# Altium PCB ATOL_MAIN_BOARD_R02A03_20191009.PcbDoc
Units mil, origin at the board's own origin, x right, y up, seen from the top; angles counter-clockwise.
Board outline 3582.68 x 3385.83 mil, 2 copper layers (Top Layer, Bottom Layer), stack 12.8 mil thick; 76 components, 84 nets, 284 pads, 157 vias.
Unrouted connection lines stored in the file: 165.
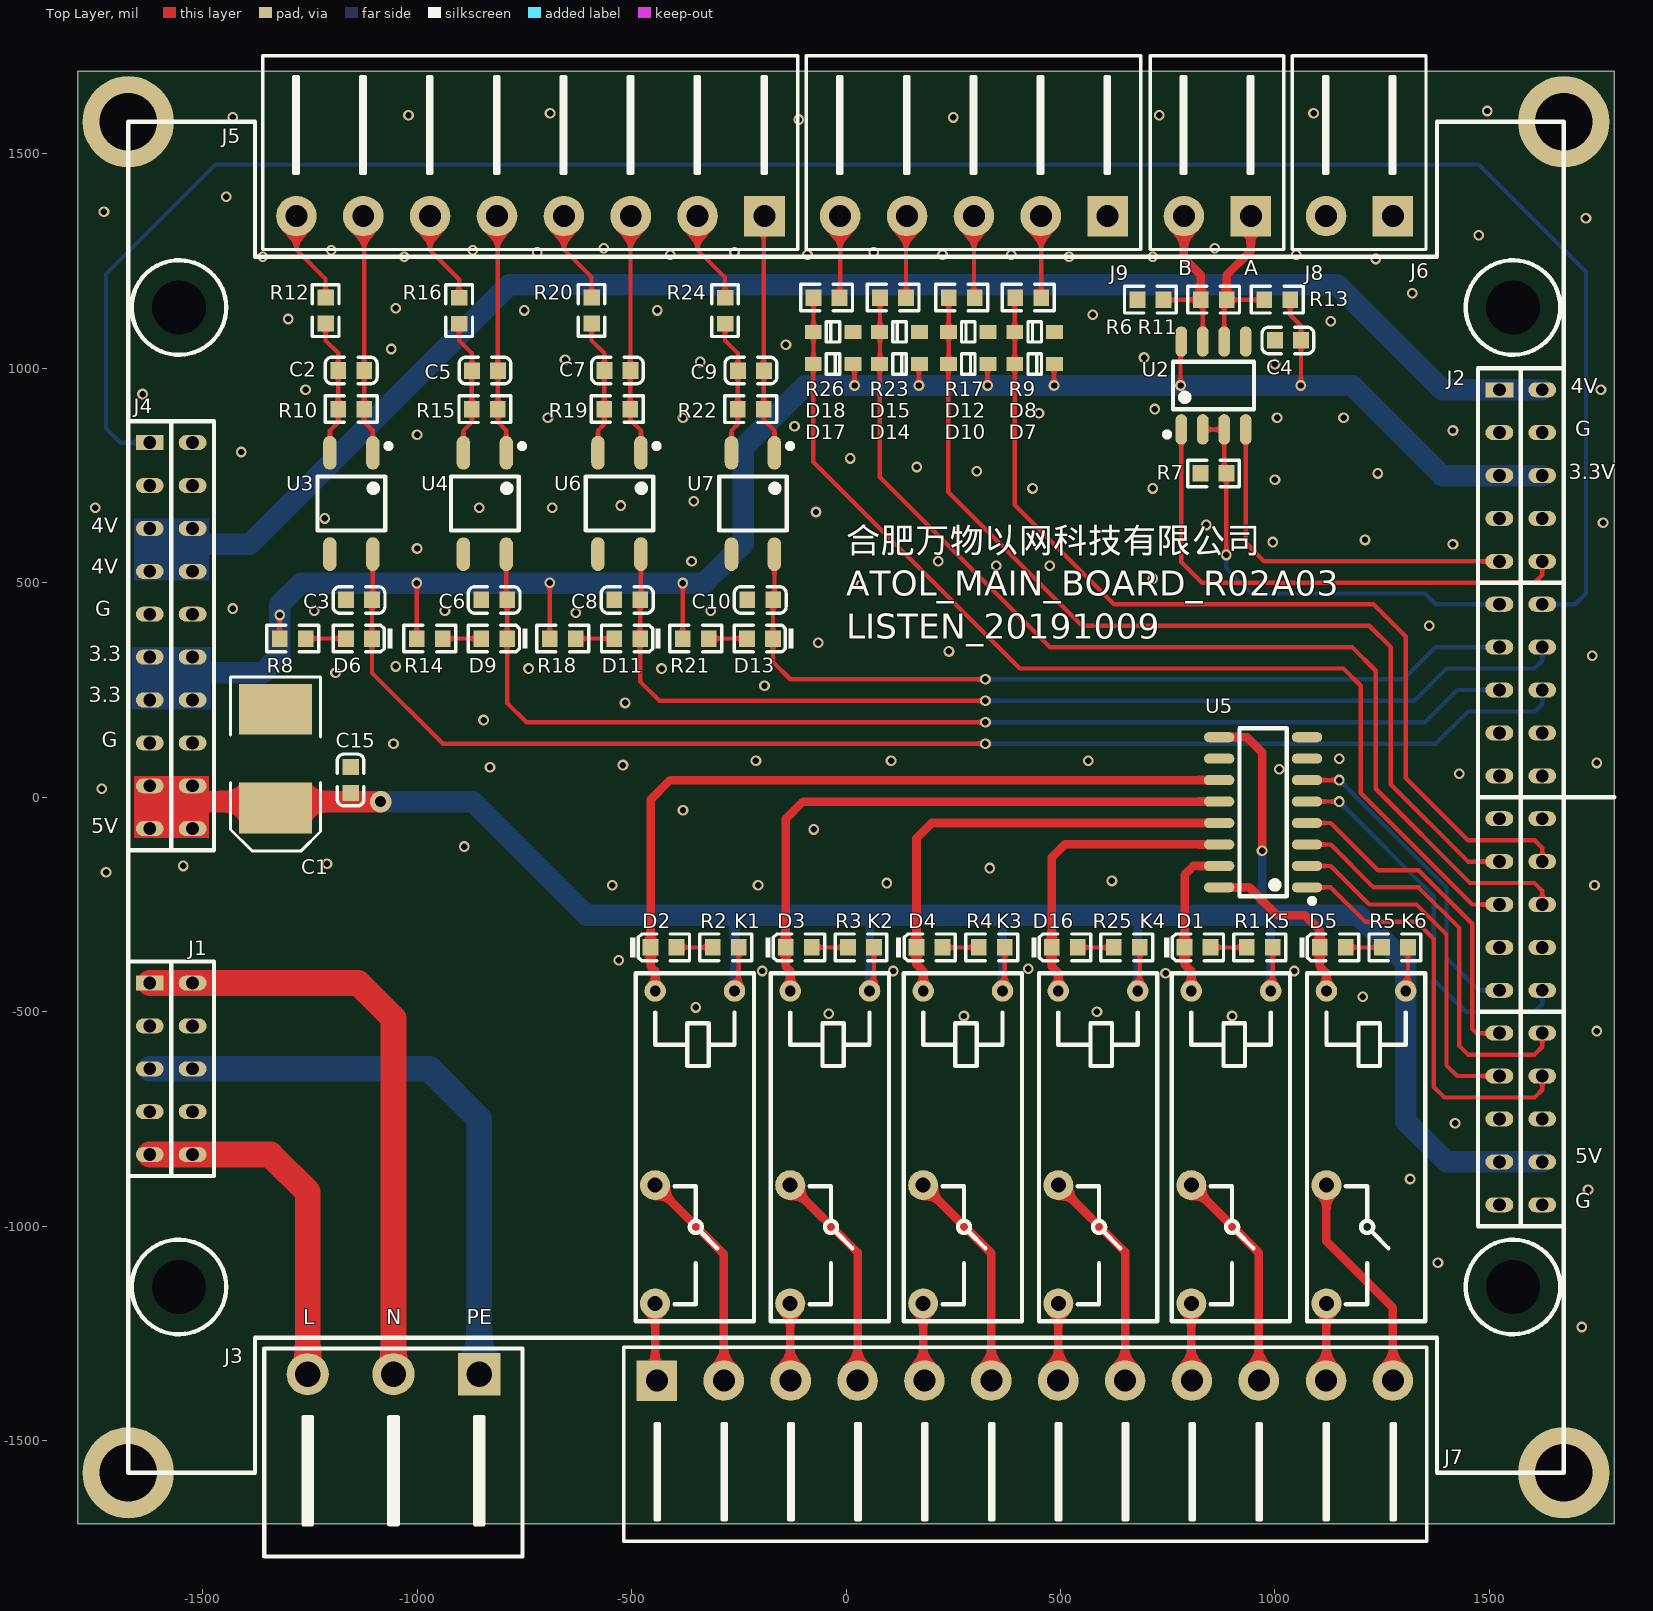
[diagram p0: Top Layer view]
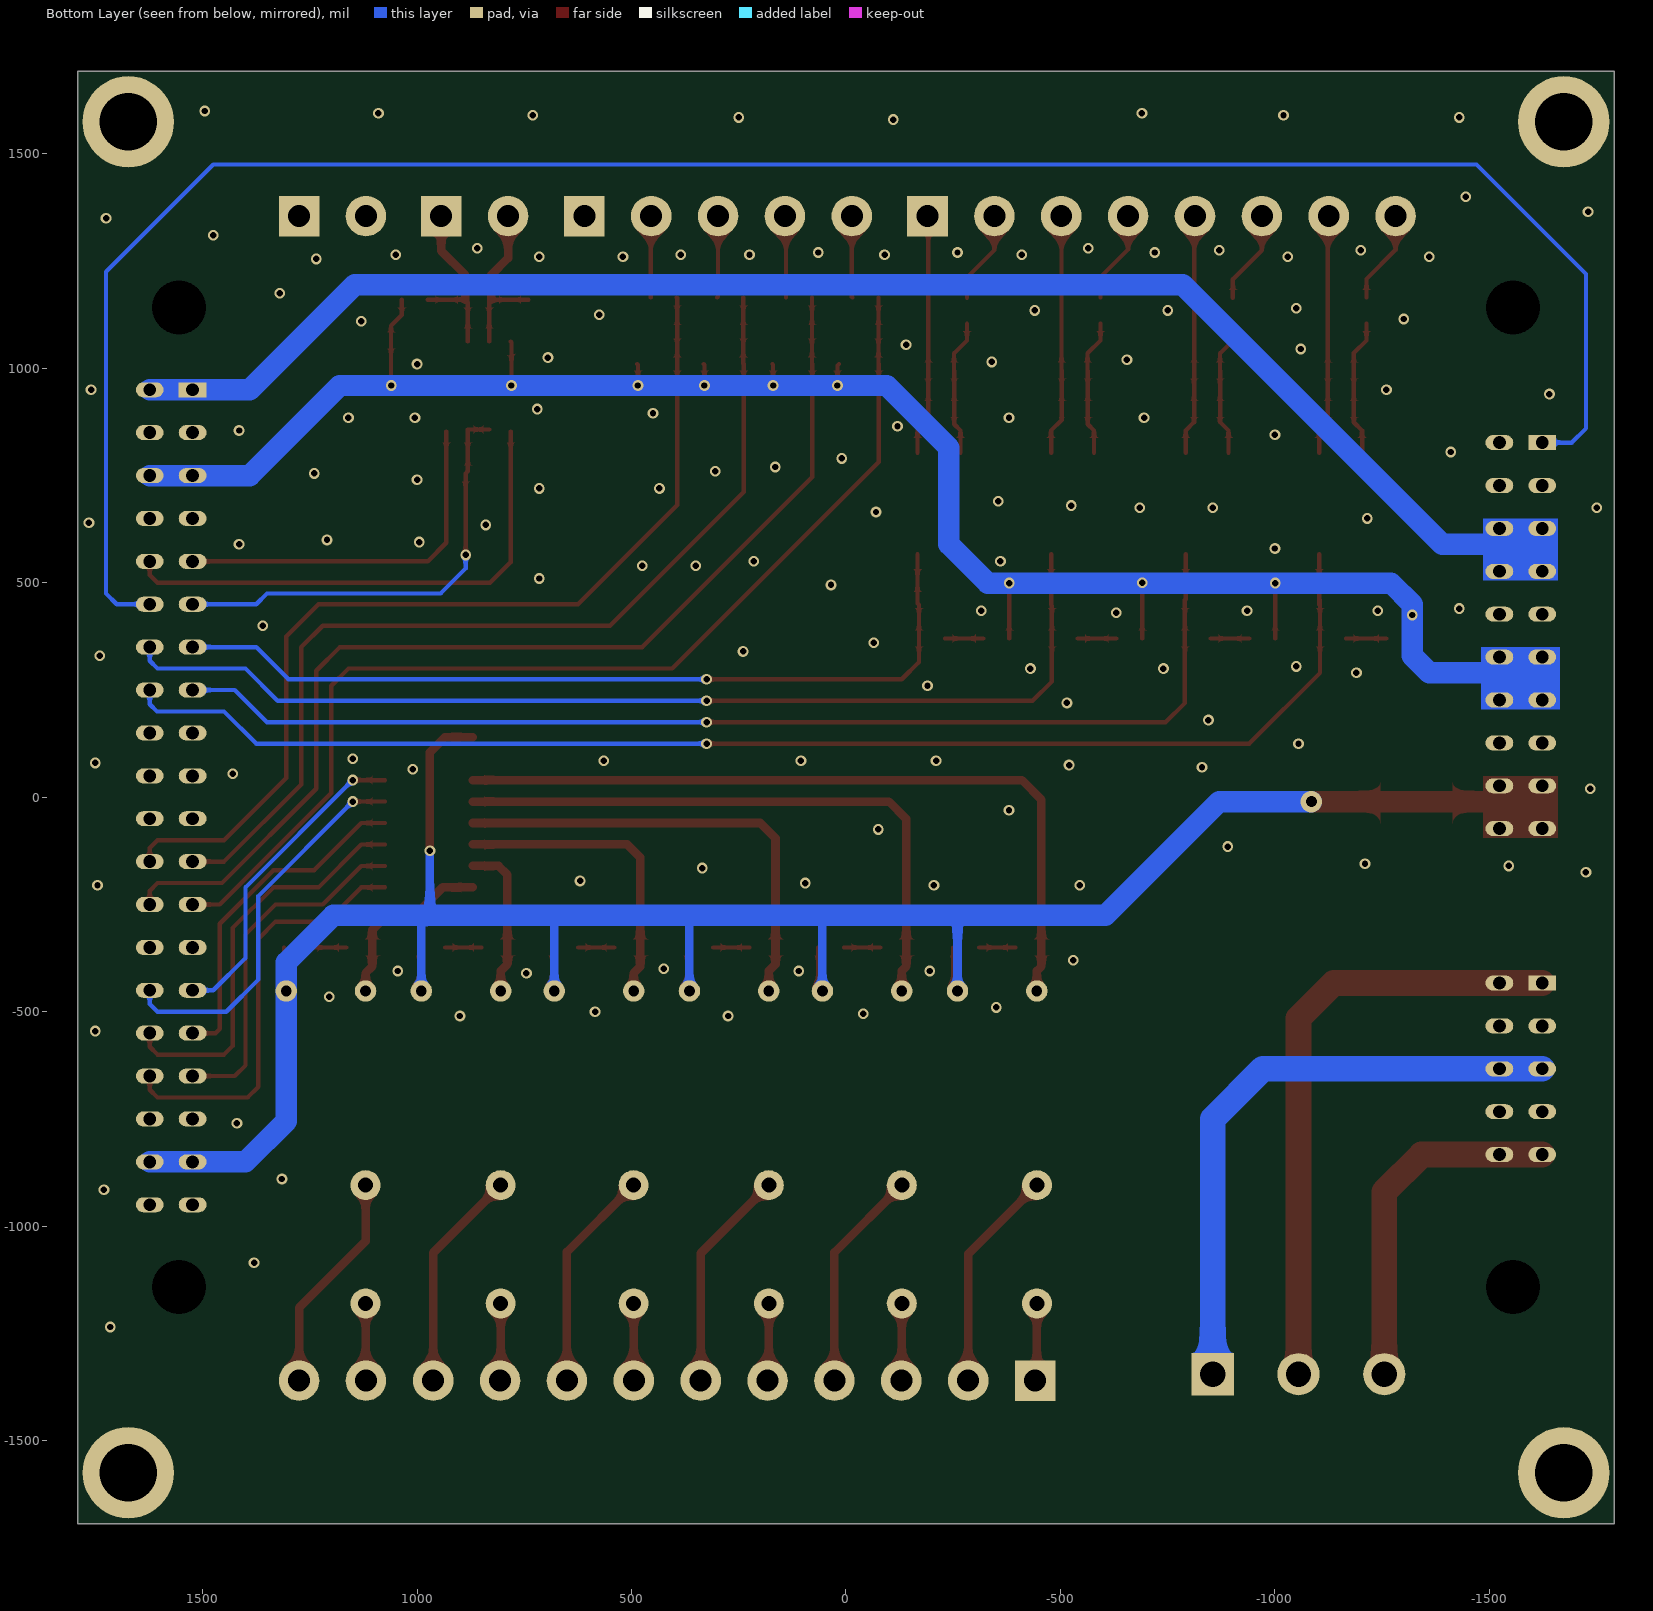
[diagram p1: Bottom Layer view, seen from below]

## Layer stack, top to bottom
Top Solder: solder mask 0.4, Solder Resist, Dk 3.5
Top Layer: signal copper 1.4
Dielectric 1: core 10, FR-4, Dk 4.2
Bottom Layer: signal copper 1.4
Bottom Solder: solder mask 0.4, Solder Resist, Dk 3.5

## Board outline
-1791.34,-1693.11 -1791.34,1692.72 1791.34,1692.72 1791.34,-1693.11

## Design rules (kind name [scope] priority, off if disabled: settings)
Clearance [All] p1: gap=10
HoleSize [All] p1: absolutevalues=TRUE maxlimit=1000 minlimit=1 maxpercent=80.000 minpercent=20.000
MinimumSolderMaskSliver [All] p1: minsoldermaskwidth=2
PolygonConnect [All] p1: connectstyle=Direct reliefconductorwidth=10 reliefentries=4 polygonreliefangle="90 Angle" airgapwidth=10
RoutingVias [All] p1: holewidth=15 width=30 viastyle="Through Hole" minholewidth=10 minwidth=10 maxholewidth=1000 maxwidth=1000
SilkToSilkClearance [All] p1: silktosilkclearance=0
SilkToSolderMaskClearance [IsPad] p1: minsilkscreentomaskgap=0 clearancetoexposedcopper=TRUE
SolderMaskExpansion [All] p1: expansion=4
Width [All] p1: maxlimit=100 minlimit=10 preferedwidth=10
26 further rules are at their usual default settings.

## Components (designator, comment, footprint, x,y, rotation, side; value= is the part's Value field where it differs from the comment)
C1 "470uF (7343) 16V" STEC_E(7343-43) -1330,90 r270 top
C2 "100nF (104) 10% 50V" 0603_C -1153.54,995 r0 top
C3 "100nF (104) 10% 50V" 0603_C -1135.32,460 r0 top
C4 "100nF (104) 10% 50V" 0603_C 1030.32,1065 r180 top
C5 "100nF (104) 10% 50V" 0603_C -841.61,994.88 r0 top
C6 "100nF (104) 10% 50V" 0603_C -820.32,460 r0 top
C7 "100nF (104) 10% 50V" 0603_C -532.91,995 r0 top
C8 "100nF (104) 10% 50V" 0603_C -510,460 r0 top
C9 "100nF (104) 10% 50V" 0603_C -221.61,994.88 r0 top
C10 "100nF (104) 10% 50V" 0603_C -200,460 r0 top
C15 "100nF (104) 10% 50V" 0603_C -1155,40.32 r90 top
D1 "红灯 0603" 0603_LED_S1 819.68,-350 r0 top
D2 "红灯 0603" 0603_LED_S1 -425.32,-350 r0 top
D3 "红灯 0603" 0603_LED_S1 -110.32,-350 r0 top
D4 "红灯 0603" 0603_LED_S1 194.68,-350 r0 top
D5 "红灯 0603" 0603_LED_S1 1134.68,-350 r0 top
D6 "白灯 0603" 0603_LED_S1 -1135.31,370 r180 top
D7 "1N4148WS T4" SOD-323 440,1010 r180 top
D8 "1N4148WS T4" SOD-323 440,1085 r0 top
D9 "白灯 0603" 0603_LED_S1 -820.31,370 r180 top
D10 "1N4148WS T4" SOD-323 285,1010 r180 top
D11 "白灯 0603" 0603_LED_S1 -509.68,370 r180 top
D12 "1N4148WS T4" SOD-323 285,1085 r0 top
D13 "白灯 0603" 0603_LED_S1 -200.31,370 r180 top
D14 "1N4148WS T4" SOD-323 125,1010 r180 top
D15 "1N4148WS T4" SOD-323 125,1085 r0 top
D16 "红灯 0603" 0603_LED_S1 510,-350 r0 top
D17 "1N4148WS T4" SOD-323 -30,1010 r180 top
D18 "1N4148WS T4" SOD-323 -30,1085 r0 top
J1 "2.54(5x2)" DB2.54(5x2) -1623.23,-433.07 r270 top locked
J2 "2.54(20x2)" DB2.54(20x2) 1523.23,950 r270 top locked
J3 "5.08(3x1)" KF2EDGK5.08-WI-3P -1055,-1345 r180 top
J4 "2.54(10x2)" DB2.54(10x2) -1623.23,826.77 r270 top locked
J5 "3.96(8x1)" HT3.96-WI-8P -736.45,1355 r180 top locked
J6 "3.96(2x1)" HT3.96-WI-2P 1196.26,1355 r180 top locked
J7 "3.96(12x1)" HT3.96-WI-12P 417.52,-1360 r0 top
J8 "3.96(2x1)" HT3.96-WI-2P 865,1355 r180 top locked
J9 "3.96(5x1)" HT3.96-WI-5P 297.4,1355 r180 top locked
K1 "G5NB" G5NG -445,-451.65 r270 top locked
K2 "G5NB" G5NG -130,-451.65 r270 top locked
K3 "G5NB" G5NG 180,-451.65 r270 top locked
K4 "G5NB" G5NG 495,-451.65 r270 top locked
K5 "G5NB" G5NG 805,-451.65 r270 top locked
K6 "G5NB" G5NG 1120,-451.65 r270 top locked
R1 "2.2KΩ (2201) ±1%" 0603_R 964.69,-350 r180 top
R2 "2.2KΩ (2201) ±1%" 0603_R -280.31,-350 r180 top
R3 "2.2KΩ (2201) ±1%" 0603_R 35,-350 r180 top
R4 "2.2KΩ (2201) ±1%" 0603_R 340,-350 r180 top
R5 "2.2KΩ (2201) ±1%" 0603_R 1279.69,-350 r180 top
R6 "47KΩ (4702) ±1%" 0603_R 709.69,1160 r180 top
R7 "47KΩ (4702) ±1%" 0603_R 856.77,755 r0 top
R8 "2KΩ (2001) ±1%" 0603_R -1290,370 r180 top
R9 "100Ω (1000) ±1%" 0603_R 424.69,1165 r180 top
R10 "680Ω (6800) ±1%" 0603_R -1153.54,905 r180 top
R11 "120Ω (1200) ±1%" 0603_R 857.09,1160 r180 top
R12 "4.7KΩ (4701) ±1%" 0603_R -1213.23,1134.68 r90 top
R13 "47KΩ (4702) ±1%" 0603_R 1005.32,1160 r180 top
R14 "2KΩ (2001) ±1%" 0603_R -970.31,370 r180 top
R15 "680Ω (6800) ±1%" 0603_R -841.93,904.88 r180 top
R16 "4.7KΩ (4701) ±1%" 0603_R -901.93,1134.57 r90 top
R17 "100Ω (1000) ±1%" 0603_R 269.69,1165 r180 top
R18 "2KΩ (2001) ±1%" 0603_R -660.31,370 r180 top
R19 "680Ω (6800) ±1%" 0603_R -533.23,905 r180 top
R20 "4.7KΩ (4701) ±1%" 0603_R -593.23,1135 r90 top
R21 "2KΩ (2001) ±1%" 0603_R -350.31,370 r180 top
R22 "680Ω (6800) ±1%" 0603_R -221.93,904.88 r180 top
R23 "100Ω (1000) ±1%" 0603_R 109.69,1165 r180 top
R24 "4.7KΩ (4701) ±1%" 0603_R -281.93,1134.57 r90 top
R25 "2.2KΩ (2201) ±1%" 0603_R 654.69,-350 r180 top
R26 "100Ω (1000) ±1%" 0603_R -45.31,1165 r180 top
U2 "SP3485EN-L/TR" SOIC-8_150mil 856.77,960 r0 top locked
U3 "EL357N(B)(TA)-G" SOP-4_P2.54 -1153.23,685 r270 top
U4 "EL357N(B)(TA)-G" SOP-4_P2.54 -841.93,684.88 r270 top
U5 "ULN2003AFWG" SOIC-16_150mil 972.36,-35 r90 top locked
U6 "EL357N(B)(TA)-G" SOP-4_P2.54 -528.23,685 r270 top
U7 "EL357N(B)(TA)-G" SOP-4_P2.54 -216.93,684.88 r270 top

## Footprints (in the part's own frame and the unit in brackets; to place one, negate y for a bottom-side part, rotate by r counter-clockwise, add the part's x,y. Pads: shape width x height; smd on the part's side, far side on the other; paste and mask are expansions set on the pad)
0603_C [mm]
  rect 0.93x0.98 smd: 1(-0.77,0) 2(0.77,0)
  silkscreen extent -1.53,-0.79 1.54,0.79, body extent -0.8,-0.4 0.8,0.4, height 0.3
0603_LED_S1 [mm]
  rect 0.93x0.98 smd: A(0.77,0) K(-0.77,0)
  silkscreen extent -1.97,-0.79 1.54,0.79, body extent -0.8,-0.4 0.8,0.4, height 0.6
0603_R [mm]
  rect 0.93x0.98 smd: 1(-0.77,0) 2(0.77,0)
  silkscreen extent -1.53,-0.79 1.54,0.79, body extent -0.85,-0.4 0.85,0.4, height 0.56
DB2.54(5x2) [mil] "DB2.54(5x2)"
  rect 35x65 hole 30: 1(0,0)
  oval 35x65 hole 30: 2(0,100) 3(100,0) 4(100,100) 5(200,0) 6(200,100) 7(300,0) 8(300,100) 9(400,0) 10(400,100)
  silkscreen extent -50,-50 450,150
DB2.54(10x2) [mil] "DB2.54(10x2)"
  rect 35x65 hole 30: 1(0,0)
  oval 35x65 hole 30: 2(0,100) 3(100,0) 4(100,100) 5(200,0) 6(200,100) 7(300,0) 8(300,100) 9(400,0) 10(400,100) 11(500,0) 12(500,100) 13(600,0) 14(600,100) 15(700,0) 16(700,100) 17(800,0) 18(800,100) 19(900,0) 20(900,100)
  silkscreen extent -50,-50 950,150
DB2.54(20x2) [mil] "DB2.54(20x2)"
  rect 35x65 hole 30: 1(0,0)
  oval 35x65 hole 30: 2(0,100) 3(100,0) 4(100,100) 5(200,0) 6(200,100) 7(300,0) 8(300,100) 9(400,0) 10(400,100) 11(500,0) 12(500,100) 13(600,0) 14(600,100) 15(700,0) 16(700,100) 17(800,0) 18(800,100) 19(900,0) 20(900,100) 21(1000,0) 22(1000,100) 23(1100,0) 24(1100,100) 25(1200,0) 26(1200,100) 27(1300,0) 28(1300,100) 29(1400,0) 30(1400,100) 31(1500,0) 32(1500,100) 33(1600,0) 34(1600,100) 35(1700,0) 36(1700,100) 37(1800,0) 38(1800,100) 39(1900,0) 40(1900,100)
  silkscreen extent -50,-50 1950,150
G5NG [mil] "欧姆龙G5NG继电器"
  round 50 hole 25: 1(0,0) 4(0,185.04)
  round 70 hole 35: 2(452.76,0) 3(728.35,0)
  silkscreen extent -41,-45 770,230
HT3.96-WI-2P [mm] "HT3.96卧插端子"
  rect 2.4x2.4 hole 1.3: 1(-2,0)
  round 2.4 hole 1.3: 2(1.96,0)
  silkscreen extent -3.96,-9.5 3.96,1.98, body extent -3.98,-9.5 3.98,0.5, height 7.45
HT3.96-WI-5P [mm] "HT3.96卧插端子"
  rect 2.4x2.4 hole 1.3: 1(-7.94,0)
  round 2.4 hole 1.3: 2(-3.98,0) 3(-0.02,0) 4(3.94,0) 5(7.9,0)
  silkscreen extent -9.9,-9.5 9.9,1.98, body extent -9.92,-9.5 9.92,0.5, height 7.45
HT3.96-WI-8P [mm] "HT3.96卧插端子"
  rect 2.4x2.4 hole 1.3: 1(-13.88,0)
  round 2.4 hole 1.3: 2(-9.92,0) 3(-5.96,0) 4(-2,0) 5(1.96,0) 6(5.92,0) 7(9.88,0) 8(13.84,0)
  silkscreen extent -15.84,-9.5 15.84,1.98, body extent -15.86,-9.5 15.86,0.5, height 7.45
HT3.96-WI-12P [mm] "HT3.96卧插端子"
  rect 2.4x2.4 hole 1.3: 1(-21.8,0)
  round 2.4 hole 1.3: 2(-17.84,0) 3(-13.88,0) 4(-9.92,0) 5(-5.96,0) 6(-2,0) 7(1.96,0) 8(5.92,0) 9(9.88,0) 10(13.84,0) 11(17.82,0) 12(21.78,0)
  silkscreen extent -23.76,-9.5 23.78,1.98, body extent -23.78,-9.5 23.8,0.5, height 7.45
KF2EDGK5.08-WI-3P [mm] "卧插端子"
  rect 2.5x2.5 hole 1.5: 1(-5.08,0)
  round 2.5 hole 1.5: 2(0,0) 3(5.08,0)
  silkscreen extent -7.65,-1.52 7.65,10.8, body extent -7.62,-0.5 7.62,10.8, height 8.5
SOD-323 [mm]
  rect 1x0.83 smd: 1(1.18,0) 2(-1.18,0)
  silkscreen extent -0.4,-0.6 0.4,0.6, body extent -1.35,-0.62 1.35,0.63, height 1.1
SOIC-8_150mil [mm]
  oval 0.7x1.8 smd: 1(-1.905,-2.6) 2(-0.635,-2.6) 3(0.635,-2.6) 4(1.905,-2.6) 5(1.905,2.6) 6(0.635,2.6) 7(-0.635,2.6) 8(-1.905,2.6)
  silkscreen extent -2.9,-3.05 2.4,1.4
SOIC-16_150mil [mm]
  oval 0.6x1.8 smd: 1(-4.445,-2.6) 2(-3.175,-2.6) 3(-1.905,-2.6) 4(-0.635,-2.6) 5(0.635,-2.6) 6(1.905,-2.6) 7(3.175,-2.6) 8(4.445,-2.6) 9(4.445,2.6) 10(3.175,2.6) 11(1.905,2.6) 12(0.635,2.6) 13(-0.635,2.6) 14(-1.905,2.6) 15(-3.175,2.6) 16(-4.445,2.6)
  silkscreen extent -5.4,-3.05 4.97,1.4
SOP-4_P2.54 [mm]
  oval 2x0.8 smd: 1(-3,1.27) 2(-3,-1.27) 3(3,-1.27) 4(3,1.27)
  silkscreen extent -3.55,-2 1.6,2.35
STEC_E(7343-43) [mm]
  rect 3x4.3 smd: 1(2.921,0) 2(-2.921,0)
  silkscreen extent -4.83,-2.67 5.46,2.67, body extent -3.65,-2.15 3.65,2.15, height 4.11

## Part data
C1: library part "3528 100uF (107) 10% 6.3V", "钽电容"
C2 C3 C4 C5 C6 C7 C8 C9 C10 C15: library part "0603 100nF (104) 10% 50V", "贴片电容"
D1 D2 D3 D4 D5 D16: library part "0603 红灯", "发光二极管"
D6 D9 D11 D13: library part "0603 白灯", "发光二极管"
D7 D8 D10 D12 D14 D15 D17 D18: library part "SOD-323 1N4148WS T4", "二极管"
J1 J2 J4: "2.54端子"
J3: "5.08端子"
J5 J6 J7 J8 J9: "3.96端子"
K1 K2 K3 K4 K5 K6: "G5NB/12V/16mA/720R"
R1 R2 R3 R4 R5 R25: library part "0603 2.2KΩ (2201) 1%", "贴片电阻"
R6 R7 R13: library part "0603 47KΩ (4702) 1%", "贴片电阻"
R8 R14 R18 R21: library part "0603 2KΩ (2001) 1%", "贴片电阻"
R9 R17 R23 R26: library part "0603 100Ω (1000) 1%", "贴片电阻"
R10 R15 R19 R22: library part "0603 680Ω (6800) 1%", "贴片电阻"
R11: library part "0603 120Ω (1200) 1%", "贴片电阻"
R12 R16 R20 R24: library part "0603 4.7KΩ (4701) 1%", "贴片电阻"
U2: library part SP3485EN-L/TR_[C8963], "RS-485/RS-422"
U3 U4 U6 U7: library part EL357N(B)(TA)-G_[C6649], "贴片光耦"
U5: library part ULN2003AFWG_[C5437], "大电流驱动"

## Free pads (board coordinates)
  round 212.6 hole 133.86: ""(-1673.23,-1575) ""(-1673.23,1574.8) ""(1673.23,-1574.8) ""(1673.23,1574.8)
  round 0 hole 125.98: ""(-1555.12,-1141.73) ""(-1555.12,1141.73) ""(1555.12,-1141.73) ""(1555.12,1141.73)

## Via types
v1: diameter 25, hole 15, Top Layer to Bottom Layer, tented both sides, 155 vias
v2: diameter 50, hole 25, Top Layer to Bottom Layer, tented both sides, 1 vias
v3: diameter 25, hole 15, Top Layer to Bottom Layer, tented bottom, 1 vias

## Nets (pads, with @x,y where several pads share a name; then routed paths per layer and width w, separated by ;. In a path a pad name is that pad's centre, name@x,y a point inside that pad or via, vN(x,y) a via of type N, cw(c..) or ccw(c..) an arc to the next point about the centre after c; other vN are vias at no path point)
3.3VDC: C4.1 D7.2 D10.2 D14.2 D17.2 J2.5 J2.6 J4.11 J4.12 J4.13 J4.14 R8.2 R13.1 R14.2 R18.2 R21.2 U2.8 | length 4649.9
  Top Layer w10: R8.2 -1320.32,424.68 v1(-1320,425) ; R14.2 v1(-1000.63,499.37) ; R18.2 v3(-690.63,500) ; R21.2 v1(-380.63,499.37) ; D17.2 20,1006.46 v1(20,960) ; v1(170,960) 170,1008.54 D14.2 ; v1(330,960) 330,1008.54 D10.2 ; v1(485,960) 485,1008.54 D7.2 ; v1(780,960) 780,1060.59 U2.8 ; R13.1 1035.63,1124.37 1060.63,1099.37 C4.1 v1@1060.63,960
  Bottom Layer w50: -1499.63,290.37 -1359.63,290.37 -1320,330 v1(-1320,425) -1320,450 -1270.63,499.37 v1(-1000.63,499.37) -330.63,499.37 -240,590 -240,815 -95,960 v1(20,960) v1(170,960) v1(330,960) v1(485,960) v1(780,960) v1(1060,960) 1180,960 1390,750 J2.5 J2.6
4VDC: J2.1 J2.2 J4.5 J4.6 J4.7 J4.8 | length 3495.3
  Bottom Layer w50: -1520,590 -1390,590 -785,1195 1145,1195 1390,950 J2.1 J2.2
5VDC: C1.1 C15.1 J2.37 J2.38 J4.17 J4.18 J4.19 J4.20 K1.4 K2.4 K3.4 K4.4 K5.4 K6.4 R1.1 R2.1 R3.1 R4.1 R5.1 R25.1 U5.9 | length 5710.5
  Top Layer w10: K1.4 -250,-441.69 R2.1 ; K2.4 65.31,-441.38 R3.1 ; K3.4 370.31,-446.38 R4.1 ; K4.4 685,-446.69 R25.1 ; K5.4 995,-446.69 R1.1 ; K6.4 1310,-446.69 R5.1
  Top Layer w20: U5.9 935,140 970,105 v1(970,-125)
  Top Layer w50: -1510,-10 -1325,-10 v2(-1085,-10)
  Bottom Layer w10: 55.04,-275.08 55,-275.04 ; 365.04,-275.08 365,-275.04 ; 680.04,-275.08 680,-275.04 ; 970,-275 990.04,-295.04
  Bottom Layer w20: K1.4 -259.96,-275.04 ; K2.4 55.04,-275.08 ; K3.4 365.04,-275.08 ; K4.4 680.04,-275.08 ; 970,-275 v1(970,-125) ; K5.4 990.04,-295.04
  Bottom Layer w50: v2(-1085,-10) -870,-10 -605,-275 -260,-275 ; -259.96,-275.04 55,-275.04 365,-275.04 680,-275.04 970,-275.04 ; 970,-275 1195,-275 1305.04,-385.04 K6.4 1305.04,-755.04 1400,-850 J2.37 J2.38
AI0: J9.5 R26.1 | length 190.6
  Top Layer w10: R26.1 -13.62,1166.38 J9.5
AI1: J9.4 R23.1 | length 190.9
  Top Layer w10: R23.1 140,1352.72 J9.4
AI2: J9.3 R17.1 | length 190.8
  Top Layer w10: J9.3 298.19,1166.81 R17.1
AI3: J9.2 R9.1 | length 190.4
  Top Layer w10: J9.2 455,1354.09 R9.1
CAN_RX: J2.7
CAN_TX: J2.8
COMM_RESET: J2.12 J4.1 | length 4996.8
  Bottom Layer w10: J4.1 -1691.77,826.77 -1725,860 -1725,1220 -1470,1475 1475,1475 1725,1225 1725,475 1700,450 J2.12
DI0_HIGH: C2.2 J5.7 R10.1 U3.1 | length 561.1
  Top Layer w10: J5.7 -1123.23,1352.8 C2.2 R10.1 -1123.23,875 -1103.23,855 U3.1
DI0_LOW: J5.8 R12.2 | length 218.2
  Top Layer w10: J5.8 -1281.34,1276.34 -1213.23,1208.23 R12.2
DI1_HIGH: C5.2 J5.5 R15.1 U4.1 | length 560.8
  Top Layer w10: J5.5 -811.93,1353.31 -811.93,995.51 C5.2 ; C5.2@-811.61,994.57 R15.1 -811.61,874.57 -791.93,854.88 U4.1
DI1_LOW: J5.6 R16.2 | length 218.1
  Top Layer w10: J5.6 -969.53,1275.47 -901.93,1207.87 R16.2
DI2_HIGH: C7.2 J5.3 R19.1 U6.1 | length 563.5
  Top Layer w10: C7.2@-503.23,995.63 C7.2 -502.6,1352.95 -503.23,1353.58 J5.3 ; C7.2@-502.91,994.68 R19.1 -502.91,879.69 -478.23,855 U6.1
DI2_LOW: J5.4 R20.2 | length 216.4
  Top Layer w10: J5.4 -657.72,1277.28 -593.23,1212.8 R20.2
DI3_HIGH: C9.2 J5.1 R22.1 U7.1 | length 563.2
  Top Layer w10: J5.1 -191.93,1353.07 -191.93,994.88 -191.61,994.57 R22.1 -191.61,879.57 -166.93,854.88 U7.1
DI3_LOW: J5.2 R24.2 | length 216.6
  Top Layer w10: J5.2 -345.91,1275.91 -281.93,1211.93 R24.2
DO0_HIGH: J7.2 K1.2 | length 521.9
  Top Layer w20: K1.2 -284.84,-1064.57 J7.2
DO0_LOW: J7.1 K1.3 | length 181.8
  Top Layer w10: J7.1@-445,-1355.75 J7.1
  Top Layer w20: J7.1@-445,-1355.75 K1.3
DO1_HIGH: J7.4 K2.2 | length 520.6
  Top Layer w20: K2.2 26.97,-1061.38 J7.4
DO1_LOW: J7.3 K2.3 | length 180.4
  Top Layer w10: J7.3@-130,-1358.93 J7.3
  Top Layer w20: J7.3@-130,-1358.93 K2.3
DO2_HIGH: J7.6 K3.2 | length 521.4
  Top Layer w20: K3.2 338.78,-1063.19 J7.6
DO2_LOW: J7.5 K3.3 | length 181.2
  Top Layer w10: J7.5@180,-1357.12 J7.5
  Top Layer w20: J7.5@180,-1357.12 K3.3
DO3_HIGH: J7.8 K4.2 | length 520
  Top Layer w20: K4.2 650.59,-1060 J7.8
DO3_LOW: J7.7 K4.3 | length 180.1
  Top Layer w10: J7.7 J7.7@495,-1359.69
  Top Layer w20: J7.7@495,-1359.69 K4.3
DO4_HIGH: J7.10 K5.2 | length 520.8
  Top Layer w20: K5.2 962.4,-1061.81 J7.10
DO4_LOW: J7.9 K5.3 | length 180.6
  Top Layer w10: J7.9@805,-1358.5 J7.9
  Top Layer w20: J7.9@805,-1358.5 K5.3
DO5_HIGH: J7.12 K6.2 | length 519.8
  Top Layer w20: K6.2 1120,-1035 1275,-1190 J7.12
DO5_LOW: J7.11 K6.3 | length 180.4
  Top Layer w10: J7.11 J7.11@1120,-1359.09
  Top Layer w20: J7.11@1120,-1359.09 K6.3
GND: C1.2 C3.1 C4.2 C6.1 C8.1 C10.1 C15.2 D8.1 D12.1 D15.1 D18.1 J2.3 J2.4 J2.39 J2.40 J4.9 J4.10 J4.15 J4.16 J9.1 R6.2 R7.1 U2.5 U3.3 U4.3 U5.8 U6.3 U7.3
  other v1: 1715,-1235 1380,-1085 1730,-915 1315,-890 1420,-760 1750,-545 275,-510 900,-510 -40,-505 585,-500 -350,-490 1205,-465 745,-410 -195,-405 110,-405 1045,-405 425,-400 -530,-380 -545,-205 -205,-205 1745,-205 95,-200 620,-195 -1725,-175 335,-165 -1545,-160 -1210,-155 -890,-115 -75,-75 -380,-30 -1735,20 1430,55 1010,65 -830,70 -520,75 1750,80 -210,85 105,85 565,85 1150,90 -1055,125 -845,180 -515,220 -190,260 -1190,290 -740,300 -430,300 -1050,305 1740,330 240,340 -65,360 1360,400 -630,430 -1240,435 -935,435 -315,435 -1430,440 35,495 715,510 350,540 475,540 -360,550 215,550 -1000,580 1415,590 995,595 1210,600 840,635 1765,640 -1215,650 -70,665 -1750,675 -855,675 -685,675 -525,680 -355,690 435,720 715,720 1000,740 1240,755 305,760 165,770 10,790 -1410,805 -1000,845 1415,855 -120,865 -695,885 -380,885 1005,885 1160,885 450,895 720,905 -1640,940 -1260,950 1760,950 1000,1010 -340,1015 -655,1020 695,1025 -1060,1045 -140,1055 1130,1110 -1300,1115 575,1125 -750,1135 -440,1135 -1050,1140 1320,1175 1235,1255 -1360,1260 -1030,1260 520,1260 715,1260 -410,1265 -90,1265 225,1265 385,1265 1050,1265 -720,1270 -260,1270 65,1270 -1200,1275 -870,1275 -565,1280 860,1280 1475,1310 1725,1350 -1730,1365 -1445,1400 -110,1580 -1430,1585 250,1585 -1020,1590 730,1590 -690,1595 1090,1595 1495,1600
L_AC: J1.9 J1.10 J3.3 | length 829.2
  Top Layer w60: J1.9 J1.10 -1341.93,-833.07 -1255,-920 J3.3
N_AC: J1.1 J1.2 J3.2 | length 1432.2
  Top Layer w60: J1.1 J1.2 -1136.93,-433.07 -1055,-515 J3.2
NetC2_1: C2.1 R10.2 R12.1 U3.2 | length 321.4
  Top Layer w10: R12.1 -1213.23,1065 -1183.86,1035.63 C2.1 R10.2 -1183.86,874.37 -1203.23,855 U3.2
NetC5_1: C5.1 R15.2 R16.1 U4.2 | length 321.5
  Top Layer w10: R16.1 -901.93,1064.88 -871.93,1034.88 C5.1 ; U4.2 -891.93,854.88 -872.24,874.57 R15.2 C5.1@-872.24,994.57
NetC7_1: C7.1 R19.2 R20.1 U6.2 | length 319.8
  Top Layer w10: R20.1 -593.23,1065 -563.23,1035 C7.1 ; U6.2 -578.23,855 -563.54,869.68 R19.2 C7.1@-563.54,994.68
NetC9_1: C9.1 R22.2 R24.1 U7.2 | length 319.5
  Top Layer w10: R24.1 -281.93,1064.88 -251.93,1034.88 C9.1 ; U7.2 -266.93,854.88 -252.24,869.57 R22.2 C9.1@-252.24,994.57
NetD1_A: D1.A R1.2 | length 84.4
  Top Layer w10: D1.A R1.2
NetD2_A: D2.A R2.2 | length 84.4
  Top Layer w10: D2.A R2.2
NetD3_A: D3.A R3.2 | length 84.7
  Top Layer w10: D3.A R3.2
NetD4_A: D4.A R4.2 | length 84.7
  Top Layer w10: D4.A R4.2
NetD5_A: D5.A R5.2 | length 84.4
  Top Layer w10: D5.A R5.2
NetD6_A: D6.A R8.1 | length 94.1
  Top Layer w10: R8.1 D6.A
NetD9_A: D9.A R14.1 | length 89.4
  Top Layer w10: R14.1 D9.A
NetD11_A: D11.A R18.1 | length 90
  Top Layer w10: R18.1 D11.A
NetD13_A: D13.A R21.1 | length 89.4
  Top Layer w10: R21.1 D13.A
NetD16_A: D16.A R25.2 | length 84.1
  Top Layer w10: D16.A R25.2
PA0: J2.29 U5.6 | length 748.1
  Top Layer w10: U5.6 v1(1150,40)
  Bottom Layer w10: v1(1150,40) 1400,-210 1400,-375 1475,-450 J2.29
PA1: J2.30 U5.5 | length 905
  Top Layer w10: U5.5 v1(1150,-10)
  Bottom Layer w10: v1(1150,-10) 1370,-230 1370,-425 1445,-500 1605,-500 1623.23,-481.77 J2.30
PA4: D17.1 D18.2 J2.25 R26.2 | length 2557.3
  Top Layer w10: R26.2 -75.63,1010.83 D17.1 -76.46,781.46 405,300 1160,300 1200,260 1200,10 1460,-250 J2.25
PA5: D14.1 D15.2 J2.26 R23.2 | length 2556
  Top Layer w10: R23.2 79.37,1010.83 D14.1 78.54,746.46 475,350 1180,350 1235,295 1235,20 1455,-200 1605,-200 1623.23,-218.23 J2.26
PA6: D10.1 D12.2 J2.23 R17.2 | length 2282.8
  Top Layer w10: R17.2 239.37,1010.83 D10.1 238.54,711.46 550,400 1220,400 1270,350 1270,30 1450,-150 J2.23
PA7: D7.1 D8.2 J2.24 R9.2 | length 2269.9
  Top Layer w10: R9.2 393.54,1164.17 D8.2 D7.1 393.54,681.46 625,450 1230,450 1305,375 1305,45 1450,-100 1605,-100 1623.23,-118.23 J2.24
PB0: J2.19
PB1: J2.20
PB2: J2.17
PB8: J2.35
PB9: J2.36
PB10: J2.18
PB11: C6.2 D9.K J2.15 U4.4 | length 2710.5
  Top Layer w10: U4.4 -791.93,461.93 C6.2 -790,220 -745,175 v1(325,175)
  Bottom Layer w10: v1(325,175) 1350,175 1425,250 J2.15
PB12: C3.2 D6.K J2.16 U3.4 | length 3155.5
  Top Layer w10: C3.2 -1105,290 -940,125 v1(325,125) ; C3.2@-1103.23,449.17 U3.4
  Bottom Layer w10: v1(325,125) 1375,125 1450,200 1606.46,200 1623.23,216.77 J2.16
PB13: C10.2 D13.K J2.13 U7.4 | length 1993.9
  Top Layer w10: U7.4 -166.93,451.65 -170,448.58 -170,315 -130,275 v1(325,275)
  Bottom Layer w10: v1(325,275) 1300,275 1375,350 J2.13
PB14: C8.2 D11.K J2.14 U6.4 | length 2489.9
  Top Layer w10: U6.4 -478.23,448.54 -480,446.77 -480,270 -435,225 v1(325,225)
  Bottom Layer w10: v1(325,225) 1325,225 1400,300 1605,300 1623.23,318.23 J2.14
PB15: J2.11 R7.2 U2.2 U2.3 | length 1047.4
  Top Layer w10: U2.2 U2.3 881.77,760 886.77,755 v1(886.77,565)
  Bottom Layer w10: v1(886.77,565) 886.77,533.23 945,475 1350,475 1375,450 J2.11
PC0: J2.33 U5.2 | length 830.1
  Top Layer w10: U5.2 1130,-160 1220,-250 1330,-250 1400,-320 1400,-625 1425,-650 J2.33
PC1: J2.34 U5.1 | length 992.9
  Top Layer w10: U5.1 1130,-210 1210,-290 1330,-290 1370,-330 1370,-675 1395,-700 1605,-700 1623.23,-681.77 J2.34
PC2: J2.31 U5.4 | length 795
  Top Layer w10: U5.4 1130,-60 1240,-170 1335,-170 1460,-295 1460,-540 1470,-550 J2.31
PC3: J2.32 U5.3 | length 951.9
  Top Layer w10: U5.3 1130,-110 1230,-210 1335,-210 1430,-305 1430,-580 1450,-600 1605,-600 1623.23,-581.77 J2.32
PC4: J2.21
PC5: J2.22
PE_AC: J1.5 J1.6 J3.1 | length 1411.7
  Bottom Layer w60: J1.5 J1.6 -971.93,-633.07 -855,-750 J3.1
RELAY_0: D2.K K1.1 U5.11 | length 1795
  Top Layer w20: K1.1 -445,-405 -455.63,-394.37 D2.K -455.63,-5.63 -410,40 U5.11
RELAY_1: D3.K K2.1 U5.12 | length 1432.9
  Top Layer w20: K2.1 -130,-405 -140.63,-394.37 D3.K -140.63,-50.63 -100,-10 U5.12
RELAY_2: D4.K K3.1 U5.13 | length 1082.9
  Top Layer w20: K3.1 180,-405 164.37,-389.37 D4.K 164.37,-95.63 200,-60 U5.13
RELAY_3: D16.K K4.1 U5.14 | length 720.6
  Top Layer w20: K4.1 495,-410 479.69,-394.69 D16.K 479.69,-140.31 510,-110 U5.14
RELAY_4: D1.K K5.1 U5.15 | length 366.7
  Top Layer w20: K5.1 805,-405 789.37,-389.37 D1.K 789.37,-180.63 810,-160 U5.15
RELAY_5: D5.K K6.1 U5.16 | length 424.3
  Top Layer w20: U5.16 940,-210 1005,-275 1070,-275 1104.37,-309.37 D5.K 1104.37,-394.37 1120,-410 K6.1
RS485_A: J8.1 R11.1 R13.2 U2.6 | length 405.9
  Top Layer w10: U2.6 881.77,1154.37 R11.1 R13.2
  Top Layer w20: R11.1 887.4,1217.4 943.74,1273.74 J8.1
RS485_B: J8.2 R6.1 R11.2 U2.7 | length 397.6
  Top Layer w10: R6.1 R11.2 831.77,1155 U2.7
  Top Layer w20: J8.2 787.83,1257.17 826.77,1218.23 R11.2
RS485_DI: J2.9 U2.4 | length 868.8
  Top Layer w10: U2.4@931.77,852.64 931.77,593.23 975,550 J2.9
RS485_RO: J2.10 U2.1 | length 1205.2
  Top Layer w10: U2.1@781.77,852.64 781.77,548.23 830,500 1605,500 1623.23,518.23 J2.10
USART2_RX: J2.28
USART2_TX: J2.27
VBAT: J4.2
pads on no net: J1.3 J1.4 J1.7 J1.8 J4.3 J4.4 J6.1 J6.2 U5.7 U5.10

## Other copper
Top Layer:
  rectangle net 5VDC: -1660,-95 -1485,50
Bottom Layer:
  rectangle net 3.3VDC: -1665,205 -1480,350
  rectangle net 4VDC: -1660,505 -1485,650

## Silkscreen, mask and mechanical layers (free items; w line width, h text height)
Top Overlay:
  circle w10: c-1555.12,1141.73 r110.24
  circle w10: c1555.12,1141.73 r110.24
  circle w10: c1555.12,-1141.73 r110.24
  circle w10: c-1555.12,-1141.73 r110.24
  lines w10: -1673.23,1574.61 -1672.2,1573.58 ; 1673.23,-0.2 1791.34,-0.2 ; -1673.23,-1574.8 -1377.95,-1574.8 -1377.95,-1259.84 1377.95,-1259.84 1377.95,-1574.8 1673.23,-1574.8 1673.23,1574.8 1377.95,1574.8 1377.95,1259.84 -1377.95,1259.84 -1377.95,1574.8 -1673.23,1574.8 -1673.23,-1574.8
  text "B        A" at 775,1205 h60
  text "4V" at 1690,930 h60
  text "G" at 1700,830 h60
  text "3.3V" at 1685,730 h60
  text "4V" at -1760,605 h60
  text "合肥万物以网科技有限公司" at 0,550 h100
  text "4V" at -1760,510 h60
  text "ATOL_MAIN_BOARD_R02A03" at 0,450 h100
  text "G" at -1750,410 h60
  text "LISTEN_20191009" at 0,350 h100
  text "3.3" at -1765,305 h60
  text "3.3" at -1765,210 h60
  text "G" at -1735,105 h60
  text "5V" at -1760,-95 h60
  text "5V" at 1700,-865 h60
  text "G" at 1700,-970 h60
  text "L           N          PE" at -1265,-1240 h60
Mechanical 1:
  the board outline again, w10
Mechanical 15:
  lines w10: -1790,-225 -800,-225 -475,-550 1250,-550 1250,-1040 1485,-1275 1795,-1275

## Dimensions
-1555.12,1141.73 to 1555.12,1141.73 on Mechanical 15
1555.12,-1141.73 to 1555.12,1141.73 on Mechanical 15
1673.23,1574.8 to 1673.23,-1574.8 on Mechanical 15
-1673.23,1574.8 to 1673.23,1574.8 on Mechanical 15